# Altium PCB controller_V1.3.1.PcbDoc (part 3 of 7)
Units mm, origin at the board's own origin, x right, y up, seen from the top; angles counter-clockwise.
Board outline 244 x 150 mm, 2 copper layers (Top Layer, Bottom Layer), stack 1.98 mm thick; 438 components, 367 nets, 1493 pads, 9629 vias.
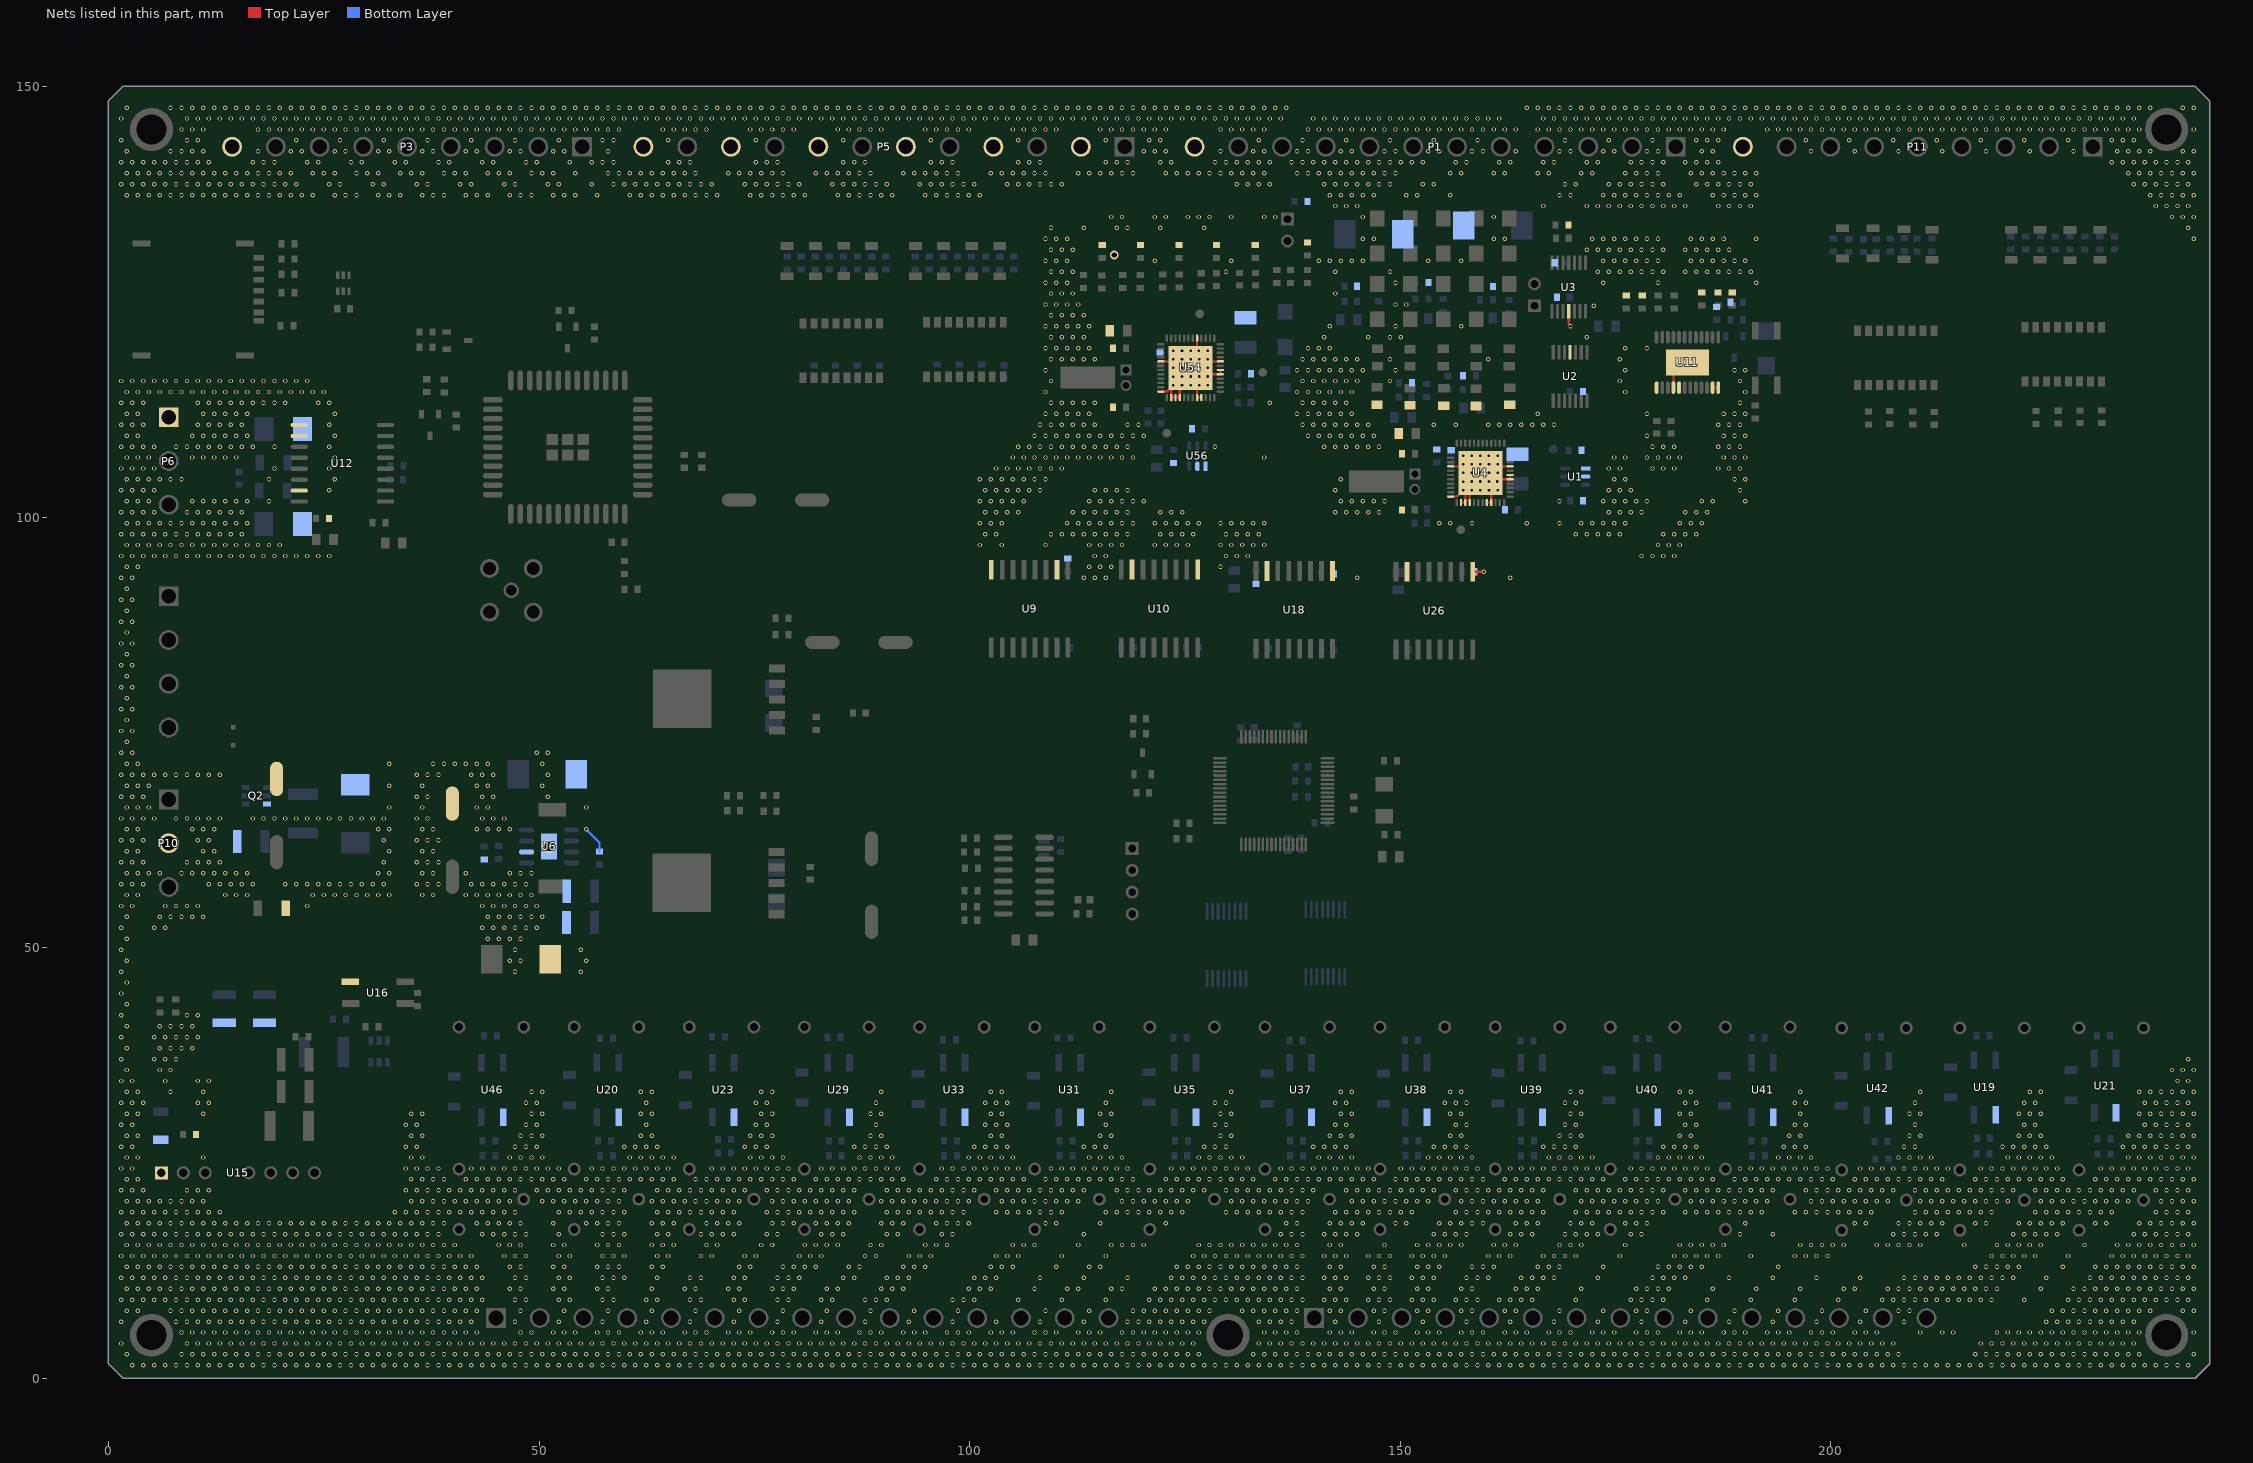
[diagram p3: the nets of this part, all layers, seen from the top]

## Via types
v1: diameter 0.508, hole 0.305, Top Layer to Bottom Layer, 9222 vias
v2: diameter 0.508, hole 0.305, Top Layer to Bottom Layer, tented both sides, 294 vias
v3: diameter 0.6, hole 0.3, Top Layer to Bottom Layer, 50 vias
v4: diameter 1.016, hole 0.635, Top Layer to Bottom Layer, tented both sides, 39 vias
v5: diameter 0.762, hole 0.508, Top Layer to Bottom Layer, tented both sides, 16 vias
v6: diameter 1.524, hole 1.016, Top Layer to Bottom Layer, tented both sides, 7 vias
v7: diameter 1.5, hole 1, Top Layer to Bottom Layer, 1 vias

## Nets (pads, with @x,y where several pads share a name; then routed paths per layer and width w, separated by ;. In a path a pad name is that pad's centre, name@x,y a point inside that pad or via, vN(x,y) a via of type N, cw(c..) or ccw(c..) an arc to the next point about the centre after c; other vN are vias at no path point) (continued)
AGND: (continued)
  other v1: 2.762,1.499 4.032,1.499 5.302,1.499 6.572,1.499 7.842,1.499 9.112,1.499 10.382,1.499 11.652,1.499 12.922,1.499 14.192,1.499 15.462,1.499 16.732,1.499 18.002,1.499 19.272,1.499 20.542,1.499 21.812,1.499 23.082,1.499 24.352,1.499 25.622,1.499 26.892,1.499 28.162,1.499 29.432,1.499 30.702,1.499 31.972,1.499 33.242,1.499 34.512,1.499 35.782,1.499 37.052,1.499 38.322,1.499 39.592,1.499 40.862,1.499 42.132,1.499 43.402,1.499 44.672,1.499 45.942,1.499 47.212,1.499 48.482,1.499 49.752,1.499 51.022,1.499 52.292,1.499 53.562,1.499 54.832,1.499 56.102,1.499 57.372,1.499 58.642,1.499 59.912,1.499 61.182,1.499 62.452,1.499 63.722,1.499 64.992,1.499 66.262,1.499 67.532,1.499 68.802,1.499 70.072,1.499 71.342,1.499 72.612,1.499 73.882,1.499 75.152,1.499 76.422,1.499 77.692,1.499 78.962,1.499 80.232,1.499 81.502,1.499 82.772,1.499 84.042,1.499 85.312,1.499 86.582,1.499 87.852,1.499 89.122,1.499 90.392,1.499 91.662,1.499 92.932,1.499 94.202,1.499 95.472,1.499 96.742,1.499 98.012,1.499 99.282,1.499 100.552,1.499 101.822,1.499 103.092,1.499 104.362,1.499 105.632,1.499 106.902,1.499 108.172,1.499 109.442,1.499 110.712,1.499 111.982,1.499 113.252,1.499 114.522,1.499 115.792,1.499 117.062,1.499 118.332,1.499 119.602,1.499 120.872,1.499 122.142,1.499 123.412,1.499 124.682,1.499 125.952,1.499 127.222,1.499 128.492,1.499 129.762,1.499 131.032,1.499 132.302,1.499 133.572,1.499 134.842,1.499 136.112,1.499 137.382,1.499 138.652,1.499 139.922,1.499 141.192,1.499 142.462,1.499 143.732,1.499 145.002,1.499 146.272,1.499 147.542,1.499 148.812,1.499 150.082,1.499 151.352,1.499 152.622,1.499 153.892,1.499 155.162,1.499 156.432,1.499 157.702,1.499 158.972,1.499 160.242,1.499 161.512,1.499 162.782,1.499 164.052,1.499 165.322,1.499 166.592,1.499 167.862,1.499 169.132,1.499 170.402,1.499 171.672,1.499 172.942,1.499 174.212,1.499 175.482,1.499 176.752,1.499 178.022,1.499 179.292,1.499 180.562,1.499 181.832,1.499 183.102,1.499 184.372,1.499 185.642,1.499 186.912,1.499 188.182,1.499 189.452,1.499 190.722,1.499 191.992,1.499 193.262,1.499 194.532,1.499 195.802,1.499 197.072,1.499 198.342,1.499 199.612,1.499 200.882,1.499 202.152,1.499 203.422,1.499 204.692,1.499 205.962,1.499 207.232,1.499 208.502,1.499 209.772,1.499 211.042,1.499 212.312,1.499 213.582,1.499 214.852,1.499 216.122,1.499 217.392,1.499 218.662,1.499 219.932,1.499 221.202,1.499 222.472,1.499 223.742,1.499 225.012,1.499 226.282,1.499 227.552,1.499 228.822,1.499 230.092,1.499 231.362,1.499 232.632,1.499 233.902,1.499 235.172,1.499 236.442,1.499 237.712,1.499 238.982,1.499 240.252,1.499 241.522,1.499 2.127,2.769 8.477,2.769 9.747,2.769 11.017,2.769 12.287,2.769 13.557,2.769 14.827,2.769 16.097,2.769 17.367,2.769 18.637,2.769 19.907,2.769 21.177,2.769 22.447,2.769 23.717,2.769 24.987,2.769 26.257,2.769 27.527,2.769 28.797,2.769 30.067,2.769 31.337,2.769 32.607,2.769 33.877,2.769 35.147,2.769 36.417,2.769 37.687,2.769 38.957,2.769 40.227,2.769 41.497,2.769 42.767,2.769 44.037,2.769 45.307,2.769 46.577,2.769 47.847,2.769 49.117,2.769 50.387,2.769 51.657,2.769 52.927,2.769 54.197,2.769 55.467,2.769 56.737,2.769 58.007,2.769 59.277,2.769 60.547,2.769 61.817,2.769 63.087,2.769 64.357,2.769 65.627,2.769 66.897,2.769 68.167,2.769 69.437,2.769 70.707,2.769 71.977,2.769 73.247,2.769 74.517,2.769 75.787,2.769 77.057,2.769 78.327,2.769 79.597,2.769 80.867,2.769 82.137,2.769 83.407,2.769 84.677,2.769 85.947,2.769 87.217,2.769 88.487,2.769 89.757,2.769 91.027,2.769 92.297,2.769 93.567,2.769 94.837,2.769 96.107,2.769 97.377,2.769 98.647,2.769 99.917,2.769 101.187,2.769 102.457,2.769 103.727,2.769 104.997,2.769 106.267,2.769 107.537,2.769 108.807,2.769 110.077,2.769 111.347,2.769 112.617,2.769 113.887,2.769 115.157,2.769 116.427,2.769 117.697,2.769 118.967,2.769 120.237,2.769 121.507,2.769 122.777,2.769 124.047,2.769 125.317,2.769 126.587,2.769 132.937,2.769 134.207,2.769 135.477,2.769 136.747,2.769 138.017,2.769 139.287,2.769 140.557,2.769 141.827,2.769 143.097,2.769 144.367,2.769 145.637,2.769 146.907,2.769 148.177,2.769 149.447,2.769 150.717,2.769 151.987,2.769 153.257,2.769 154.527,2.769 155.797,2.769 157.067,2.769 158.337,2.769 159.607,2.769 160.877,2.769 162.147,2.769 163.417,2.769 164.687,2.769 165.957,2.769 167.227,2.769 168.497,2.769 169.767,2.769 171.037,2.769 172.307,2.769 173.577,2.769 174.847,2.769 176.117,2.769 177.387,2.769 178.657,2.769 179.927,2.769 181.197,2.769 182.467,2.769 183.737,2.769 185.007,2.769 186.277,2.769 187.547,2.769 188.817,2.769 190.087,2.769 191.357,2.769 192.627,2.769 193.897,2.769 195.167,2.769 196.437,2.769 197.707,2.769 198.977,2.769 200.247,2.769 201.517,2.769 202.787,2.769 204.057,2.769 205.327,2.769 206.597,2.769 207.867,2.769 216.757,2.769 218.027,2.769 219.297,2.769 220.567,2.769 221.837,2.769 223.107,2.769 224.377,2.769 225.647,2.769 226.917,2.769 228.187,2.769 229.457,2.769 230.727,2.769 231.997,2.769 233.267,2.769 234.537,2.769 235.807,2.769 242.157,2.769 1.492,4.039 9.112,4.039 10.382,4.039 11.652,4.039 12.922,4.039 14.192,4.039 15.462,4.039 16.732,4.039 18.002,4.039 19.272,4.039 20.542,4.039 21.812,4.039 23.082,4.039 24.352,4.039 25.622,4.039 26.892,4.039 28.162,4.039 29.432,4.039 30.702,4.039 31.972,4.039 33.242,4.039 34.512,4.039 35.782,4.039 37.052,4.039 38.322,4.039 39.592,4.039 40.862,4.039 42.132,4.039 43.402,4.039 44.672,4.039 45.942,4.039 47.212,4.039 48.482,4.039 49.752,4.039 51.022,4.039 52.292,4.039 53.562,4.039 54.832,4.039 56.102,4.039 57.372,4.039 58.642,4.039 59.912,4.039 61.182,4.039 62.452,4.039 63.722,4.039 64.992,4.039 66.262,4.039 67.532,4.039 68.802,4.039 70.072,4.039 71.342,4.039 72.612,4.039 73.882,4.039 75.152,4.039 76.422,4.039 77.692,4.039 78.962,4.039 80.232,4.039 81.502,4.039 82.772,4.039 84.042,4.039 85.312,4.039 86.582,4.039 87.852,4.039 89.122,4.039 90.392,4.039 91.662,4.039 92.932,4.039 94.202,4.039 95.472,4.039 96.742,4.039 98.012,4.039 99.282,4.039 100.552,4.039 101.822,4.039 103.092,4.039 104.362,4.039 105.632,4.039 106.902,4.039 108.172,4.039 109.442,4.039 110.712,4.039 111.982,4.039 113.252,4.039 114.522,4.039 115.792,4.039 117.062,4.039 118.332,4.039 119.602,4.039 120.872,4.039 122.142,4.039 123.412,4.039 124.682,4.039 125.952,4.039 133.572,4.039 134.842,4.039 136.112,4.039 137.382,4.039 138.652,4.039 139.922,4.039 141.192,4.039 142.462,4.039 143.732,4.039 145.002,4.039 146.272,4.039 147.542,4.039 148.812,4.039 150.082,4.039 151.352,4.039 152.622,4.039 153.892,4.039 155.162,4.039 156.432,4.039 157.702,4.039 158.972,4.039 160.242,4.039 161.512,4.039 162.782,4.039 164.052,4.039 165.322,4.039 166.592,4.039 167.862,4.039 169.132,4.039 170.402,4.039 171.672,4.039 172.942,4.039 174.212,4.039 175.482,4.039 176.752,4.039 178.022,4.039 179.292,4.039 180.562,4.039 181.832,4.039 183.102,4.039 184.372,4.039 185.642,4.039 186.912,4.039 188.182,4.039 189.452,4.039 190.722,4.039 191.992,4.039 193.262,4.039 194.532,4.039 195.802,4.039 197.072,4.039 198.342,4.039 199.612,4.039 200.882,4.039 202.152,4.039 203.422,4.039 204.692,4.039 205.962,4.039 207.232,4.039 217.392,4.039 218.662,4.039 219.932,4.039 221.202,4.039 222.472,4.039 223.742,4.039 225.012,4.039 226.282,4.039 227.552,4.039 228.822,4.039 230.092,4.039 231.362,4.039 232.632,4.039 233.902,4.039 235.172,4.039 8.477,5.309 9.747,5.309 11.017,5.309 12.287,5.309 13.557,5.309 14.827,5.309 16.097,5.309 17.367,5.309 18.637,5.309 19.907,5.309 21.177,5.309 22.447,5.309 23.717,5.309 24.987,5.309 26.257,5.309 27.527,5.309 28.797,5.309 30.067,5.309 31.337,5.309 32.607,5.309 33.877,5.309 35.147,5.309 36.417,5.309 37.687,5.309 38.957,5.309 40.227,5.309 41.497,5.309 42.767,5.309 47.847,5.309 49.117,5.309 51.657,5.309 52.927,5.309 54.197,5.309 56.737,5.309 58.007,5.309 59.277,5.309 61.817,5.309 63.087,5.309 64.357,5.309 66.897,5.309 68.167,5.309 69.437,5.309 71.977,5.309 73.247,5.309 74.517,5.309 77.057,5.309 78.327,5.309 79.597,5.309 82.137,5.309 83.407,5.309 84.677,5.309 87.217,5.309 88.487,5.309 89.757,5.309 92.297,5.309 93.567,5.309 94.837,5.309 97.377,5.309 98.647,5.309 99.917,5.309 102.457,5.309 103.727,5.309 104.997,5.309 107.537,5.309 108.807,5.309 110.077,5.309 112.617,5.309 113.887,5.309 115.157,5.309 117.697,5.309 118.967,5.309 120.237,5.309 121.507,5.309 122.777,5.309 124.047,5.309 125.317,5.309 126.587,5.309 134.207,5.309 135.477,5.309 136.747,5.309 138.017,5.309 141.827,5.309 143.097,5.309 144.367,5.309 146.907,5.309 148.177,5.309 149.447,5.309 151.987,5.309 153.257,5.309 154.527,5.309 157.067,5.309 158.337,5.309 159.607,5.309 162.147,5.309 163.417,5.309 164.687,5.309 167.227,5.309 168.497,5.309 169.767,5.309 172.307,5.309 173.577,5.309 174.847,5.309 177.387,5.309 178.657,5.309 179.927,5.309 182.467,5.309 183.737,5.309 185.007,5.309 187.547,5.309 188.817,5.309 190.087,5.309 192.627,5.309 193.897,5.309 195.167,5.309 197.707,5.309 198.977,5.309 200.247,5.309 202.787,5.309 204.057,5.309 205.327,5.309 210.407,5.309 212.947,5.309 214.217,5.309 219.297,5.309 220.567,5.309 221.837,5.309 223.107,5.309 224.377,5.309 225.647,5.309 226.917,5.309 228.187,5.309 229.457,5.309 230.727,5.309 231.997,5.309 233.267,5.309 234.537,5.309 235.807,5.309 242.157,5.309 1.492,6.579 7.842,6.579 9.112,6.579 10.382,6.579 11.652,6.579 12.922,6.579 14.192,6.579 15.462,6.579 16.732,6.579 18.002,6.579 19.272,6.579 20.542,6.579 21.812,6.579 23.082,6.579 24.352,6.579 25.622,6.579 26.892,6.579 28.162,6.579 29.432,6.579 30.702,6.579 31.972,6.579 33.242,6.579 34.512,6.579 35.782,6.579 37.052,6.579 38.322,6.579 39.592,6.579 40.862,6.579 42.132,6.579 47.212,6.579 52.292,6.579 57.372,6.579 62.452,6.579 67.532,6.579 72.612,6.579 77.692,6.579 82.772,6.579 87.852,6.579 92.932,6.579 98.012,6.579 103.092,6.579 108.172,6.579 113.252,6.579 118.332,6.579 119.602,6.579 120.872,6.579 122.142,6.579 123.412,6.579 124.682,6.579 125.952,6.579 127.222,6.579 133.572,6.579 134.842,6.579 136.112,6.579 137.382,6.579 142.462,6.579 147.542,6.579 152.622,6.579 157.702,6.579 162.782,6.579 167.862,6.579 172.942,6.579 178.022,6.579 183.102,6.579 188.182,6.579 193.262,6.579 198.342,6.579 203.422,6.579 208.502,6.579 225.012,6.579 226.282,6.579 227.552,6.579 228.822,6.579 230.092,6.579 231.362,6.579 232.632,6.579 233.902,6.579 235.172,6.579 2.127,7.849 3.397,7.849 7.207,7.849 8.477,7.849 9.747,7.849 11.017,7.849 12.287,7.849 13.557,7.849 14.827,7.849 16.097,7.849 17.367,7.849 18.637,7.849 19.907,7.849 21.177,7.849 22.447,7.849 23.717,7.849 24.987,7.849 26.257,7.849 27.527,7.849 28.797,7.849 30.067,7.849 31.337,7.849 32.607,7.849 33.877,7.849 35.147,7.849 36.417,7.849 37.687,7.849 38.957,7.849 40.227,7.849 41.497,7.849 42.767,7.849 47.847,7.849 52.927,7.849 58.007,7.849 63.087,7.849 68.167,7.849 73.247,7.849 78.327,7.849 83.407,7.849 88.487,7.849 93.567,7.849 98.647,7.849 108.807,7.849 113.887,7.849 118.967,7.849 120.237,7.849 121.507,7.849 122.777,7.849 124.047,7.849 125.317,7.849 126.587,7.849 127.857,7.849 131.667,7.849 132.937,7.849 134.207,7.849 135.477,7.849 136.747,7.849 138.017,7.849 141.827,7.849 143.097,7.849 146.907,7.849 148.177,7.849 151.987,7.849 153.257,7.849 157.067,7.849 158.337,7.849 162.147,7.849 163.417,7.849 168.497,7.849 173.577,7.849 177.387,7.849 178.657,7.849 183.737,7.849 188.817,7.849 193.897,7.849 198.977,7.849 204.057,7.849 207.867,7.849 209.137,7.849 225.647,7.849 226.917,7.849 228.187,7.849 229.457,7.849 230.727,7.849 231.997,7.849 233.267,7.849 234.537,7.849 235.807,7.849 237.077,7.849 240.887,7.849 242.157,7.849 1.492,9.119 2.762,9.119 4.032,9.119 5.302,9.119 6.572,9.119 7.842,9.119 9.112,9.119 10.382,9.119 11.652,9.119 12.922,9.119 14.192,9.119 15.462,9.119 16.732,9.119 18.002,9.119 19.272,9.119 20.542,9.119 21.812,9.119 23.082,9.119 24.352,9.119 25.622,9.119 26.892,9.119 28.162,9.119 29.432,9.119 30.702,9.119 31.972,9.119 33.242,9.119 34.512,9.119 35.782,9.119 37.052,9.119 38.322,9.119 39.592,9.119 40.862,9.119 42.132,9.119 43.402,9.119 47.212,9.119 48.482,9.119 52.292,9.119 53.562,9.119 57.372,9.119 58.642,9.119 62.452,9.119 63.722,9.119 67.532,9.119 68.802,9.119 72.612,9.119 73.882,9.119 77.692,9.119 78.962,9.119 82.772,9.119 84.042,9.119 87.852,9.119 89.122,9.119 90.392,9.119 98.012,9.119 99.282,9.119 100.552,9.119 105.632,9.119 110.712,9.119 115.792,9.119 120.872,9.119 122.142,9.119 123.412,9.119 124.682,9.119 125.952,9.119 127.222,9.119 128.492,9.119 129.762,9.119 131.032,9.119 132.302,9.119 133.572,9.119 134.842,9.119 136.112,9.119 137.382,9.119 138.652,9.119 141.192,9.119 142.462,9.119 143.732,9.119 146.272,9.119 147.542,9.119 148.812,9.119 151.352,9.119 152.622,9.119 153.892,9.119 156.432,9.119 157.702,9.119 158.972,9.119 161.512,9.119 162.782,9.119 164.052,9.119 165.322,9.119 170.402,9.119 176.752,9.119 178.022,9.119 179.292,9.119 180.562,9.119 185.642,9.119 190.722,9.119 195.802,9.119 200.882,9.119 205.962,9.119 207.232,9.119 208.502,9.119 209.772,9.119 211.042,9.119 212.312,9.119 213.582,9.119 214.852,9.119 216.122,9.119 217.392,9.119 218.662,9.119 222.472,9.119 227.552,9.119 228.822,9.119 230.092,9.119 231.362,9.119 232.632,9.119 233.902,9.119 235.172,9.119 236.442,9.119 237.712,9.119 238.982,9.119 240.252,9.119 241.522,9.119 2.127,10.389 3.397,10.389 4.667,10.389 5.937,10.389 7.207,10.389 8.477,10.389 9.747,10.389 11.017,10.389 12.287,10.389 13.557,10.389 14.827,10.389 16.097,10.389 17.367,10.389 18.637,10.389 19.907,10.389 21.177,10.389 22.447,10.389 23.717,10.389 24.987,10.389 26.257,10.389 27.527,10.389 28.797,10.389 30.067,10.389 31.337,10.389 32.607,10.389 33.877,10.389 35.147,10.389 36.417,10.389 37.687,10.389 38.957,10.389 40.227,10.389 41.497,10.389 42.767,10.389 46.577,10.389 47.847,10.389 51.657,10.389 52.927,10.389 56.737,10.389 58.007,10.389 63.087,10.389 66.897,10.389 68.167,10.389 71.977,10.389 73.247,10.389 77.057,10.389 78.327,10.389 79.597,10.389 83.407,10.389 84.677,10.389 89.757,10.389 91.027,10.389 92.297,10.389 99.917,10.389 101.187,10.389 102.457,10.389 107.537,10.389 111.347,10.389 112.617,10.389 116.427,10.389 117.697,10.389 121.507,10.389 122.777,10.389 124.047,10.389 125.317,10.389 126.587,10.389 127.857,10.389 129.127,10.389 130.397,10.389 131.667,10.389 132.937,10.389 134.207,10.389 135.477,10.389 136.747,10.389 138.017,10.389 141.827,10.389 143.097,10.389 146.907,10.389 148.177,10.389 151.987,10.389 153.257,10.389 157.067,10.389 158.337,10.389 163.417,10.389 164.687,10.389 165.957,10.389 171.037,10.389 177.387,10.389 178.657,10.389 179.927,10.389 181.197,10.389 186.277,10.389 191.357,10.389 196.437,10.389 201.517,10.389 202.787,10.389 206.597,10.389 207.867,10.389 209.137,10.389 210.407,10.389 211.677,10.389 212.947,10.389 214.217,10.389 215.487,10.389 216.757,10.389 218.027,10.389 219.297,10.389 224.377,10.389 228.187,10.389 229.457,10.389 230.727,10.389 231.997,10.389 233.267,10.389 234.537,10.389 235.807,10.389 237.077,10.389 238.347,10.389 239.617,10.389 240.887,10.389 242.157,10.389 1.492,11.659 2.762,11.659 4.032,11.659 5.302,11.659 6.572,11.659 7.842,11.659 9.112,11.659 10.382,11.659 11.652,11.659 12.922,11.659 14.192,11.659 15.462,11.659 16.732,11.659 18.002,11.659 19.272,11.659 20.542,11.659 21.812,11.659 23.082,11.659 24.352,11.659 25.622,11.659 26.892,11.659 28.162,11.659 29.432,11.659 30.702,11.659 31.972,11.659 33.242,11.659 34.512,11.659 35.782,11.659 37.052,11.659 38.322,11.659 39.592,11.659 40.862,11.659 42.132,11.659 43.402,11.659 47.212,11.659 48.482,11.659 52.292,11.659 53.562,11.659 57.372,11.659 58.642,11.659 59.912,11.659 63.722,11.659 67.532,11.659 68.802,11.659 72.612,11.659 73.882,11.659 77.692,11.659 78.962,11.659 80.232,11.659 85.312,11.659 86.582,11.659 90.392,11.659 91.662,11.659 92.932,11.659 100.552,11.659 101.822,11.659 103.092,11.659 108.172,11.659 113.252,11.659 118.332,11.659 123.412,11.659 124.682,11.659 125.952,11.659 127.222,11.659 128.492,11.659 129.762,11.659 131.032,11.659 132.302,11.659 133.572,11.659 134.842,11.659 136.112,11.659 137.382,11.659 138.652,11.659 141.192,11.659 142.462,11.659 143.732,11.659 146.272,11.659 147.542,11.659 148.812,11.659 151.352,11.659 152.622,11.659 153.892,11.659 157.702,11.659 158.972,11.659 160.242,11.659 164.052,11.659 165.322,11.659 166.592,11.659 167.862,11.659 172.942,11.659 179.292,11.659 180.562,11.659 181.832,11.659 183.102,11.659 188.182,11.659 193.262,11.659 198.342,11.659 203.422,11.659 208.502,11.659 209.772,11.659 211.042,11.659 212.312,11.659 213.582,11.659 214.852,11.659 216.122,11.659 217.392,11.659 218.662,11.659 219.932,11.659 221.202,11.659 225.012,11.659 230.092,11.659 231.362,11.659 232.632,11.659 233.902,11.659 235.172,11.659 236.442,11.659 237.712,11.659 238.982,11.659 240.252,11.659 241.522,11.659 2.127,12.929 3.397,12.929 4.667,12.929 5.937,12.929 7.207,12.929 8.477,12.929 9.747,12.929 11.017,12.929 12.287,12.929 13.557,12.929 14.827,12.929 16.097,12.929 17.367,12.929 18.637,12.929 19.907,12.929 21.177,12.929 22.447,12.929 23.717,12.929 24.987,12.929 26.257,12.929 27.527,12.929 28.797,12.929 30.067,12.929 31.337,12.929 32.607,12.929 33.877,12.929 35.147,12.929 36.417,12.929 37.687,12.929 38.957,12.929 40.227,12.929 41.497,12.929 42.767,12.929 46.577,12.929 47.847,12.929 51.657,12.929 52.927,12.929 56.737,12.929 58.007,12.929 59.277,12.929 63.087,12.929 64.357,12.929 73.247,12.929 74.517,12.929 78.327,12.929 79.597,12.929 80.867,12.929 82.137,12.929 85.947,12.929 87.217,12.929 92.297,12.929 93.567,12.929 94.837,12.929 102.457,12.929 103.727,12.929 104.997,12.929 110.077,12.929 113.887,12.929 115.157,12.929 124.047,12.929 125.317,12.929 126.587,12.929 127.857,12.929 129.127,12.929 130.397,12.929 131.667,12.929 132.937,12.929 134.207,12.929 135.477,12.929 136.747,12.929 138.017,12.929 141.827,12.929 143.097,12.929 146.907,12.929 148.177,12.929 151.987,12.929 153.257,12.929 154.527,12.929 158.337,12.929 159.607,12.929 160.877,12.929 165.957,12.929 167.227,12.929 168.497,12.929 173.577,12.929 179.927,12.929 181.197,12.929 182.467,12.929 183.737,12.929 185.007,12.929 193.897,12.929 216.757,12.929 218.027,12.929 219.297,12.929 220.567,12.929 221.837,12.929 226.917,12.929 230.727,12.929 231.997,12.929 233.267,12.929 234.537,12.929 235.807,12.929 237.077,12.929 238.347,12.929 239.617,12.929 240.887,12.929 242.157,12.929 1.492,14.199 2.762,14.199 4.032,14.199 5.302,14.199 6.572,14.199 7.842,14.199 9.112,14.199 10.382,14.199 11.652,14.199 12.922,14.199 14.192,14.199 15.462,14.199 16.732,14.199 18.002,14.199 19.272,14.199 20.542,14.199 21.812,14.199 23.082,14.199 24.352,14.199 25.622,14.199 26.892,14.199 28.162,14.199 29.432,14.199 30.702,14.199 31.972,14.199 33.242,14.199 34.512,14.199 35.782,14.199 37.052,14.199 38.322,14.199 39.592,14.199 40.862,14.199 42.132,14.199 45.942,14.199 47.212,14.199 48.482,14.199 52.292,14.199 53.562,14.199 57.372,14.199 58.642,14.199 59.912,14.199 63.722,14.199 64.992,14.199 68.802,14.199 70.072,14.199 73.882,14.199 75.152,14.199 80.232,14.199 81.502,14.199 82.772,14.199 87.852,14.199 89.122,14.199 92.932,14.199 94.202,14.199 95.472,14.199 103.092,14.199 104.362,14.199 105.632,14.199 110.712,14.199 115.792,14.199 125.952,14.199 127.222,14.199 128.492,14.199 129.762,14.199 131.032,14.199 132.302,14.199 133.572,14.199 134.842,14.199 136.112,14.199 137.382,14.199 138.652,14.199 141.192,14.199 142.462,14.199 143.732,14.199 146.272,14.199 147.542,14.199 148.812,14.199 151.352,14.199 152.622,14.199 153.892,14.199 155.162,14.199 160.242,14.199 161.512,14.199 162.782,14.199 166.592,14.199 167.862,14.199 169.132,14.199 170.402,14.199 175.482,14.199 181.832,14.199 183.102,14.199 184.372,14.199 185.642,14.199 186.912,14.199 190.722,14.199 195.802,14.199 197.072,14.199 198.342,14.199 199.612,14.199 218.662,14.199 219.932,14.199 221.202,14.199 222.472,14.199 223.742,14.199 227.552,14.199 232.632,14.199 233.902,14.199 235.172,14.199 236.442,14.199 237.712,14.199 238.982,14.199 240.252,14.199 241.522,14.199 2.127,15.469 3.397,15.469 4.667,15.469 5.937,15.469 7.207,15.469 8.477,15.469 9.747,15.469 11.017,15.469 12.287,15.469 13.557,15.469 14.827,15.469 16.097,15.469 17.367,15.469 18.637,15.469 19.907,15.469 21.177,15.469 22.447,15.469 23.717,15.469 24.987,15.469 26.257,15.469 27.527,15.469 28.797,15.469 30.067,15.469 31.337,15.469 32.607,15.469 33.877,15.469 35.147,15.469 